# Altium PCB LARIX_V5.PcbDoc (part 1 of 2) (continued)
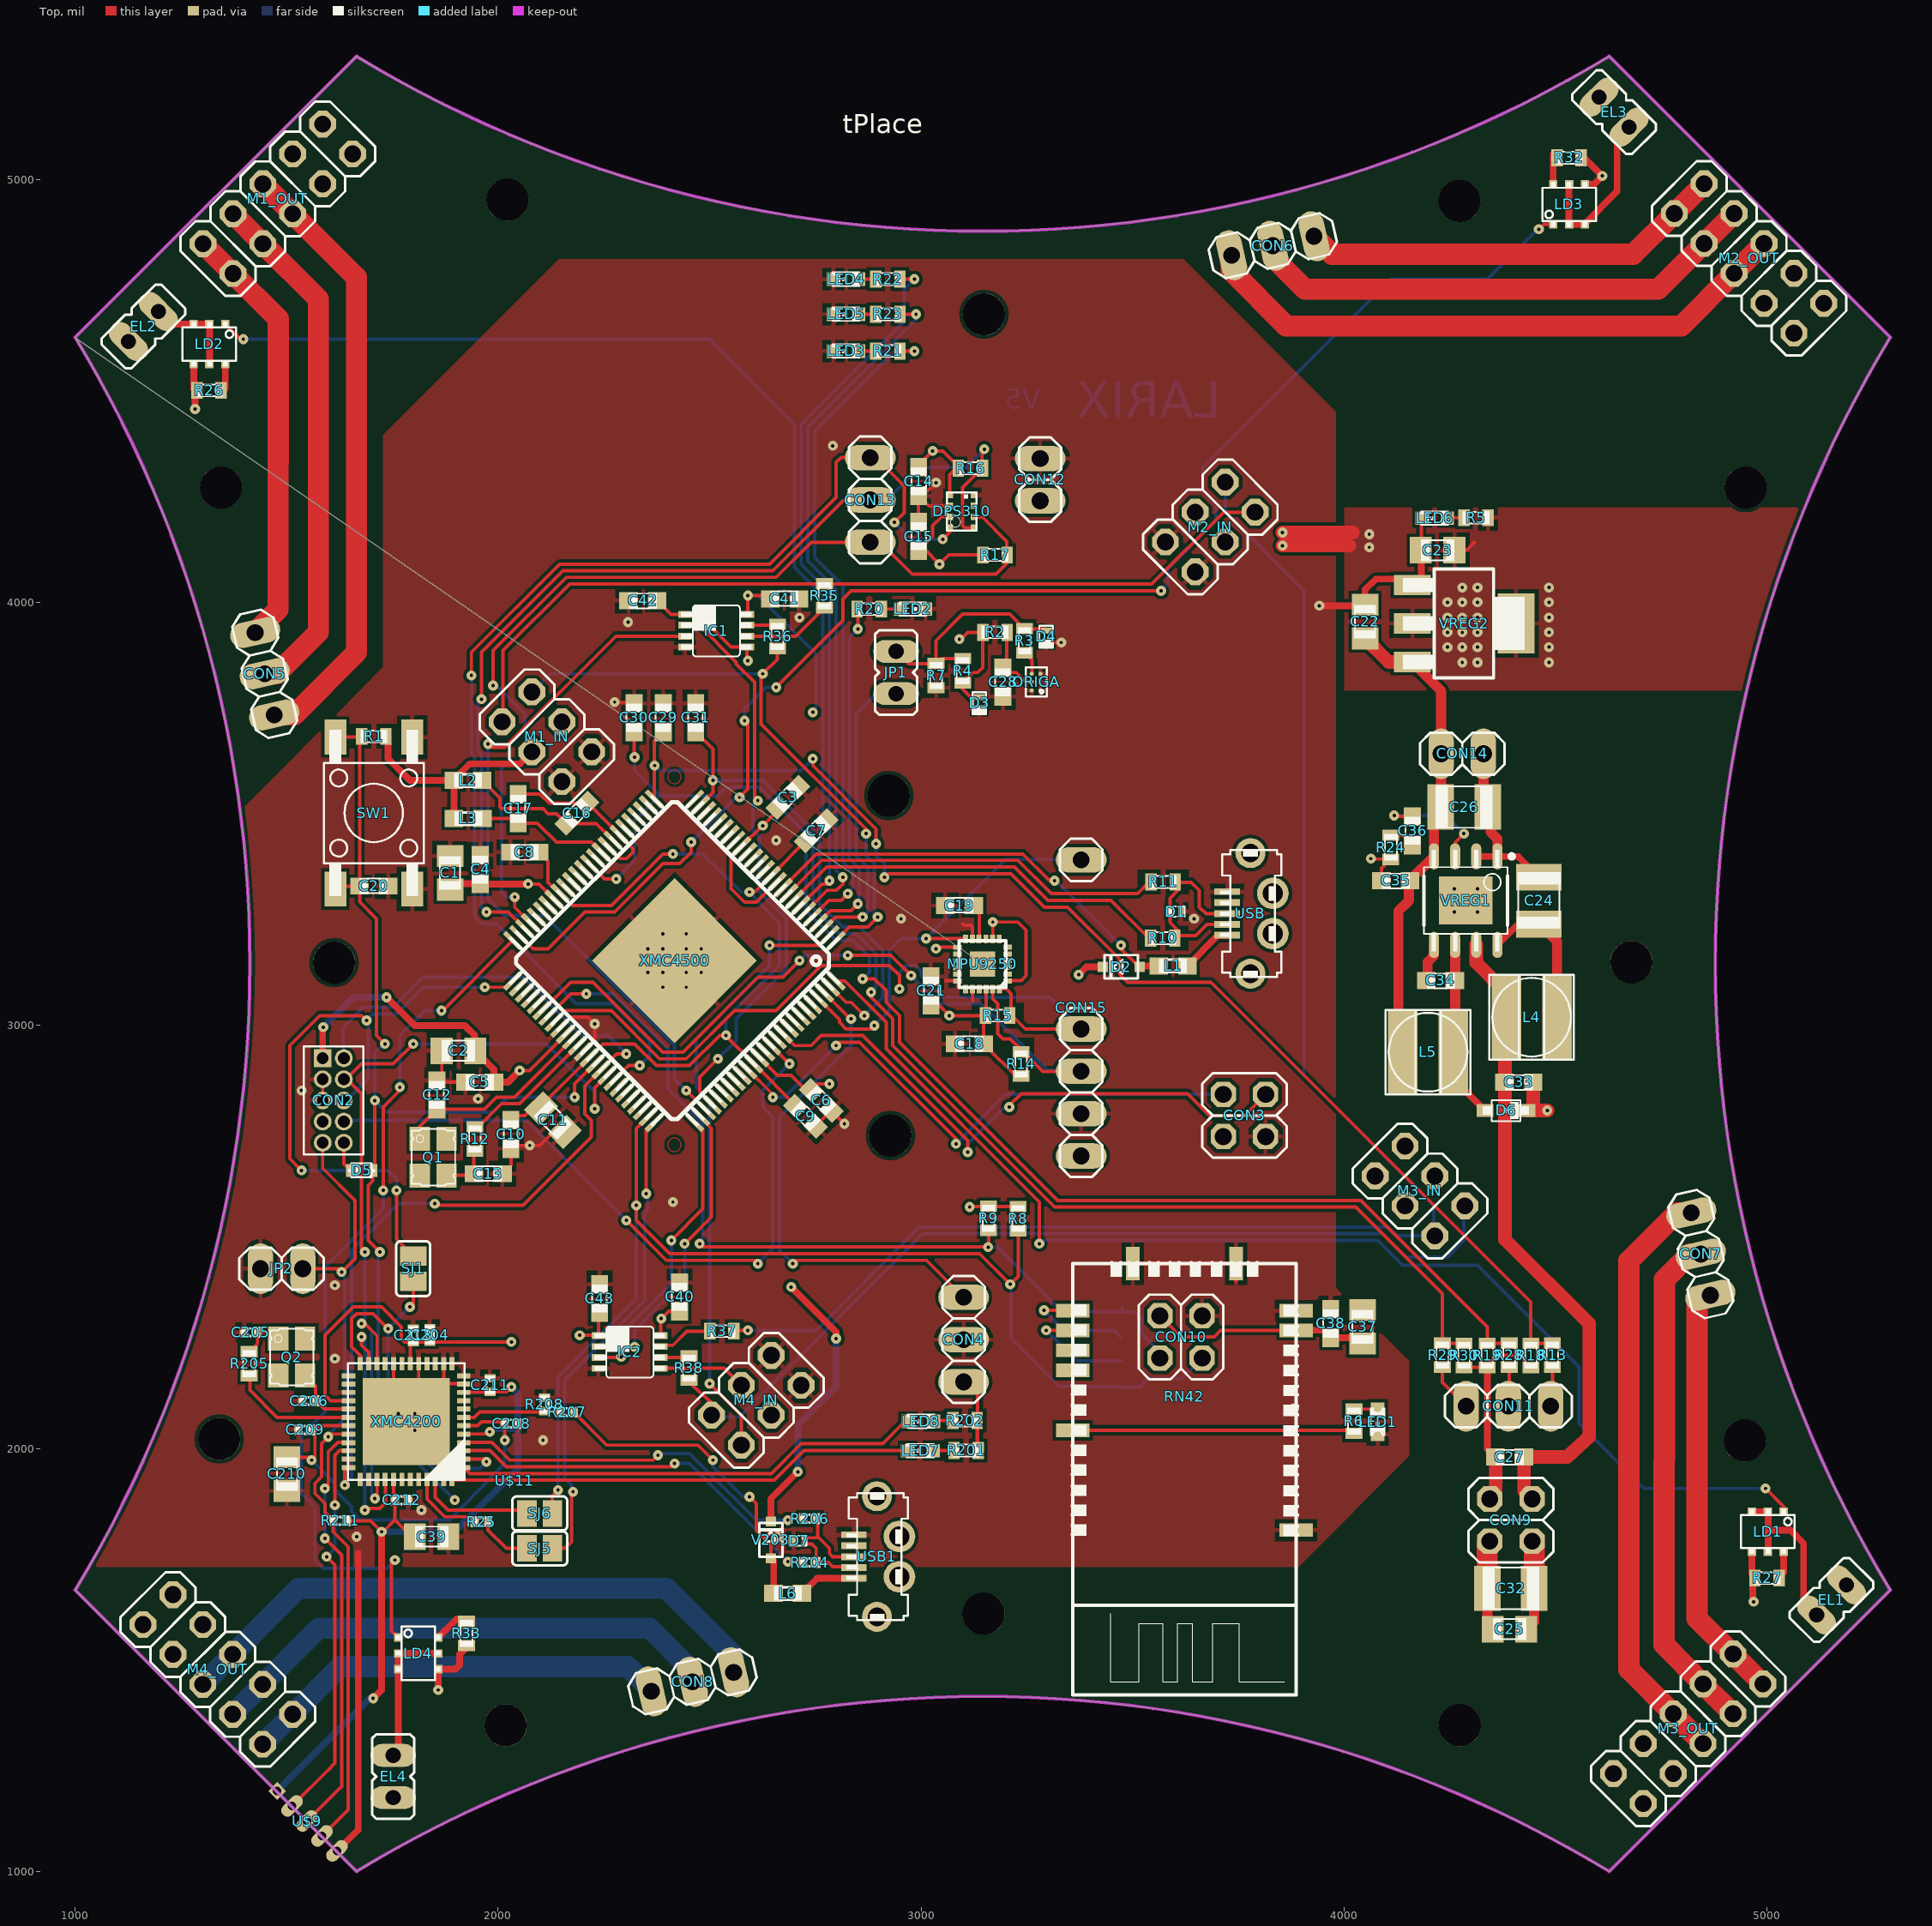
[diagram p0: Top view]
## Footprints (in the part's own frame and the unit in brackets; to place one, negate y for a bottom-side part, rotate by r counter-clockwise, add the part's x,y. Pads: shape width x height; smd on the part's side, far side on the other; paste and mask are expansions set on the pad) (continued)
  rect 12x32 smd: 13(-108.27,-136.81) 14(-88.58,-136.81) 15(-68.9,-136.81) 16(-49.21,-136.81) 17(-29.53,-136.81) 18(-9.84,-136.81) 19(10,-136.81) 20(30,-136.81) 21(50,-136.81) 22(69,-136.81) 23(89,-136.81) 24(109,-136.81) 37(109,137) 38(89,137) 39(69,137) 40(50,137) 41(30,137) 42(10,137) 43(-9.84,137) 44(-29.53,137) 45(-49.21,137) 46(-68.9,137) 47(-88.58,137) 48(-108.27,137)
  rect 205x205 smd: EPAD(0,0)
  silkscreen extent -138,-138 138,138, body extent -138,-138 138,138, height 35
R0402 [mil] "R0402"
  rect 20x26 smd: 1(-15.75,0) 2(16,0)
  silkscreen extent -22,-12 22,12, body extent -20,-10 20,10, height 11
R0603 [mil] "R0603"
  rect 27x40 smd: 1(-28.15,0) 2(29,0)
  silkscreen extent -31,-16 32,16, body extent -31,-16 32,16, height 15
RN42+SHIELD [mil] "RN42+SHIELD"
  rect 79x32 smd: GND1(0,630) GND2(0,111) GPIO_2(528,394) UART_CTX(528,252) UART_RTX(528,205) UART_RX(528,111) UART_TX(528,158) VDD(0,158)
  rect 32x79 smd: GND3(142,0) GND4(386,0)
  silkscreen extent -7,-6 533,1020, body extent 18,17 515,995, height 79
SC74 [mil] "SC74"
  rect 20x20 smd: P_1(-1.97,-86.61) P_2(36,-86.61) P_3(73,-86.61) P_4(73,8) P_5(36,8) P_6(-1.97,8)
  silkscreen extent -28,-93 99,14, body extent -24,-95 94,15, height 37
SC79 [mil] "SC79"
  rect 20x30 smd: 1(-26.57,0) 2(27,0)
  silkscreen extent -31,-16 32,16, body extent -33,-18 33,18, height 24
SJ [mil] "SJ"
  rect 46x63 smd: 1(-30,0) 2(30,0)
  silkscreen extent -65,-40 65,40
SOD323-R [mil] "SOD323-R"
  rect 24x24 smd: A(44,0) C(-43.31,0)
  silkscreen extent -39,-28 40,28, body extent -53,-25 53,25, height 43
SOT223 [mil] "SOT223"
  rect 48x88 smd: 1(-91,-122) 2(0,-122) 3(91,-122)
  rect 142x87 smd: 4(0,123)
  silkscreen extent -129,-144 129,144, body extent -125,-136 131,136, height 66
TSLP-2-20 [mil] "TSLP-2-20"
  rect 24x14 smd: P$1(4,16) P$2(4,-11.81)
  silkscreen extent -12,-24 20,28, body extent -9,-20 15,20, height 18
TSLP-3-1 [mil] "TSLP-3-1"
  rect 9x14 smd: 1(5,-18.7) 2(20,-18.7)
  rect 24x14 smd: 3(12,7)
  silkscreen extent 0,-24 24,16, body extent -2,-25 22,15, height 26
USBVERTICAL [mil] "USBVERTICAL"
  rect 16x60 smd: 1(52,108) 2(26,108) 3+(0,108) 4(-25.59,108) 5(-51.18,108)
  round 75 hole 48: P$1(48,0) P$2(-47.24,0)
  round 71 hole 44: P$3(-142.13,53) P$4(143,53)
  silkscreen extent -150,-20 150,125, body extent -155,-9 160,109, height 265
WE-TPC [mil] "WE-TPC"
  rect 200x70 smd: P$1(0,50) P$2(0,-70)
  silkscreen extent -100,-110 100,90, body extent -94,-99 94,89, height 110
WLB-5 [mil] "WLB-5"
  rrect100% 10x10 smd: A1(-7.48,-10.63) A2(-7.48,10) B2(13,10) C1(32,-10.63) C2(32,10)
  silkscreen extent -22,-25 47,24, body extent -27,-30 51,30, height 25

## Part data
C1 C2 C11 C22 C23 C25 C37 C39 C210: library part C0805K
C3 C4 C5 C6 C7 C8 C9 C10 C12 C13 C14 C15 C16 C17 C18 C19 C20 C21 C27 C28 C29 C30 C31 C33 C34 C35 C36 C38 C40 C41 C42 C43: library part C0603
C24 C26 C32: library part C1210
C204 C205 C206 C208 C209 C211 C212 C213: library part C0402
CON3 CON9 CON10: library part 2X02
CON4 CON5 CON6 CON7 CON8 CON11 CON13: library part 1X03
CON12 CON14 JP2: library part 1X02
CON15: library part 1X10
D1 D7: library part TSLP-3-1
D2 V203: library part SOD323-R
D3 D4: library part TSLP-2-20
D5: library part SC79
D6: library part INF-SOD323_V_1PRIMARY
DPS310: library part LGA8R125P0X4_500X300X120
EL1 EL2 EL3 EL4 JP1: library part JP1
IC1 IC2: library part DCT_R-PDSO-G8
L1 L2 L3 L6: library part L1608
L4 L5: library part WE-TPC
LD1 LD2 LD3 LD4: library part SC74
LED1 LED2 LED3 LED4 LED5 LED6 LED7 LED8: library part CHIPLED_0603
M1_IN M2_IN M3_IN M4_IN: library part 2X03
M1_OUT M2_OUT M3_OUT M4_OUT: library part 2X05
MPU9250: library part QFN3X3-24+
ORIGA: library part WLB-5
PAD1 PAD2: library part BATT-SOLDER
Q1 Q2: library part 32X25_4PAD
R1 R2 R3 R4 R5 R6 R7 R8 R9 R10 R11 R12 R13 R14 R15 R16 R17 R18 R19 R20 R21 R22 R23 R24 R26 R27 R28 R29 R30 R32 R33 R35 R36 R37 R38 R201 R202 R205: library part R0603
R25 R204 R206 R207 R208 R211: library part R0402
RN42: library part RN42+SHIELD
SJ1 SJ2 SJ3 SJ5 SJ6: library part SJ
SW1: library part FSM2JSMA
U$9: library part PINHEAD_127
U$11: library part LOGO_100
USB USB1: library part USBVERTICAL
VREG1: library part INF-PG-DSO-8-27_N_1PRIMARY
VREG2: library part SOT223
XMC4200: library part QFN-48-7X7
XMC4500: library part P/PG-LQFP-100-11

## Free pads (board coordinates)
  round 100 hole 100: 1(1340.55,2022.44) 1(1344.88,4271.67) 1(1612.2,3148.67) 1(2017.72,1345.28) 1(2022.05,4952.67) 1(2923.62,3543.67) 1(2927.56,2739.76) 1(3147.67,1609.45) 1(3148.67,4681.67) 1(4272.67,4949.67) 1(4273.67,1345.67) 1(4679.67,3149.67) 1(4947.67,2018.9) 1(4949.67,4271.67)

## Via types
v1: diameter 23.75/23.75/23.75/23.75 (per signal layer), hole 8, Top to Bottom, 226 vias

## Nets (pads, with @x,y where several pads share a name; then routed paths per layer and width w, separated by ;. In a path a pad name is that pad's centre, name@x,y a point inside that pad or via, vN(x,y) a via of type N, cw(c..) or ccw(c..) an arc to the next point about the centre after c; other vN are vias at no path point)
AGND: C16.2 C17.2 XMC4500.32 XMC4500.34 | length 414.6
  Top w8: C17.2@2047.24,3545.67 2049.21,3547.67 2098.43,3547.67 2120.85,3525.67 2209.86,3525.67 2212.52,3525.67 2285.5,3452.67 2318.9,3418.67 2318.9,3409.67 2303.15,3394.67 2287.96,3394.67 XMC4500.34@2257.67,3424.67
AUX_LED#: LED8.C XMC4200.1 | length 1108.8
  Top w8: XMC4200.1@1918.62,1955.51 1933.19,1940.94 2645.67,1940.94 2716.54,2011.81 2909.45,2011.81 2961.81,2064.17 LED8.C@2970.37,2064.17
COOLING: VREG1.9 | length 38.9
  Top w8: VREG1.9@4287.67,3295.67 v1(4315.67,3268.67)
  other v1: 4260.67,3268.67 4260.67,3323.67 4315.67,3323.67
CS: XMC4200.23 XMC4200.40 | length 594.2
  Top w8: v1(1677.17,2263.78) 1677.17,2244.09 1694.21,2227.05 XMC4200.23@1694.21,2200.59 ; v1(1685.04,1854.33) 1688.98,1858.27 1720.47,1858.27 1733.58,1871.38 XMC4200.40@1733.58,1926.97
  Bottom w8: v1(1677.17,2263.78) 1685.04,2255.91 v1(1685.04,1854.33)
DBGPRES#: CON2.9 JP2.1 R211.1 U$9.P$4 XMC4200.32 | length 1921.9
  Top w8: JP2.1@1538.19,2425.2 1622.05,2425.2 v1(1629.92,2417.32) 1661.42,2448.82 1661.42,2586.61 1585.24,2662.8 CON2.9@1585.24,2722.83 ; U$9.P$4@1583.6,1084.06 1584.06,1084.06 1645.67,1145.67 1645.67,1767.72 1610.24,1803.15 1610.24,1828.93 R211.1@1610.43,1829.13 ; R211.1@1609.21,1827.91 R211.1@1610.43,1829.13 ; XMC4200.32@1646.97,2034.25 1605.12,2034.25 v1(1598.43,2027.56) 1582.68,2011.81 1582.68,1933.07 1566.93,1917.32 1566.93,1893.7 1590.55,1870.08 1590.55,1849.01 R211.1@1610.43,1829.13
  Bottom w8: v1(1598.43,2027.56) 1598.43,2031.5 1637.8,2070.87 1637.8,2405.51 v1(1629.92,2417.32)
DEBUG_LED#: LED7.C XMC4200.48 | length 1107.5
  Top w8: XMC4200.48@1891.06,1926.97 1892.83,1925.2 2653.54,1925.2 2723.3,1994.95 LED7.C@2968.94,1994.95
DEBUG_RX_XMC42/TX_XMC45: SJ6.2 XMC4200.46 | length 274.9
  Top w8: XMC4200.46@1851.69,1926.97 1851.69,1884.53 1881.89,1854.33 2060.55,1854.33 SJ6.2@2068.43,1846.46
DEBUG_TX_XMC42/RX_XMC45: R25.2 SJ5.2 | length 129.7
  Top w8: R25.2@1976.38,1826.77 1976.38,1807.09 2019.68,1763.78 SJ5.2@2068.43,1763.78
GND: C1.2 C2.2 C3.2 C4.2 C5.2 C6.2 C7.2 C8.2 C9.2 C10.2 C11.2 C12.2 C13.2 C14.2 C15.1 C18.1 C19.1 C20.2 C21.1 C22.2 C23.2 C24.1 C25.2 C26.2 C27.2 C28.1 C29.2 C30.2 C31.2 C32.2 C33.1 C35.2 C37.2 C38.2 C39.2 C40.2 C41.2 C42.2 C43.2 C204.2 C205.2 C206.2 C208.2 C209.2 C210.2 C211.2 C212.2 C213.2 CON2.3 CON2.5 CON3.1 CON4.2 CON9.1 CON9.3 CON10.1 CON12.2 CON14.2 CON15.2 D1.3 D3.P$1 D4.P$1 D6.1 D7.3 DPS310.P1 DPS310.P7 IC1.4 IC2.4 JP2.2 LD1.P_4 LD2.P_4 LD3.P_4 LD4.P_4 LED1.C LED2.C LED3.C LED4.C LED5.C LED6.C M1_IN.1 M1_IN.2 M1_OUT.7 M1_OUT.8 M2_IN.1 M2_IN.2 M2_OUT.7 M2_OUT.8 M3_IN.1 M3_IN.2 M3_OUT.7 M3_OUT.8 M4_IN.1 M4_IN.2 M4_OUT.7 M4_OUT.8 MPU9250.11 MPU9250.18 MPU9250.20 ORIGA.A1 ORIGA.A2 ORIGA.C1 PAD2.P$1 R7.2 R18.2 R19.2 R24.2 R26.2 R27.2 R30.2 R32.2 R33.2 R208.1 RN42.GND1 RN42.GND2 RN42.GND3 RN42.GND4 SW1.S SW1.S1 U$9.P$5 USB1.1 USB.1 VREG1.1 VREG1.2 VREG2.1 XMC4200.11 XMC4200.12 XMC4200.13 XMC4200.14 XMC4200.17 XMC4200.20 XMC4200.27 XMC4200.EPAD XMC4500.59 XMC4500.63 XMC4500.EXP | length 5131.5
  Top w8: CON2.5@1585.24,2822.83 CON2.3@1585.24,2872.83 ; U$9.P$5@1618.95,1048.71 U$9.P$5@1619.57,1048.71 ; XMC4200.20@1753.27,2200.59 1753.27,2093.31 XMC4200.EPAD@1782.8,2063.78 ; XMC4200.17@1812.32,2200.59 1812.32,2093.31 XMC4200.EPAD@1782.8,2063.78 ; C2.2@1867.01,2940.47 1867.01,2880.79 1855.48,2869.26 1858.61,2866.14 1923.23,2866.14 C5.2@1923.23,2856.3 ; XMC4200.14@1871.38,2200.59 1871.38,2156.18 XMC4200.EPAD@1875.2,2152.36 ; XMC4200.11@1921.26,2153.54 1876.38,2153.54 XMC4200.EPAD@1875.2,2152.36 ; C13.2@2009.84,2649.61 2030.34,2670.11 C10.2@2030.34,2709.48 ; C10.2@2036.25,2701.6 C10.2@2030.34,2709.48 ; XMC4500.59@2146.31,2993.89 2172.11,3019.68 2212.6,3019.68 v1(2228.35,3003.94) 2228.35,2964.57 XMC4500.63@2201.99,2938.21 ; C11.2@2157.56,2748.9 2130.79,2748.9 2098.43,2716.54 v1(2074.8,2716.54) 2037.4,2716.54 C10.2@2030.34,2709.48 ; v1(2275.59,3764.67) 2318.9,3763.67 C30.2@2321.65,3760.67 ; v1(2389.76,3125.98) XMC4500.EXP@2417.04,3153.67 ; C9.2@2750.38,2762.11 2787.44,2799.17 2791.3,2795.23 v1(2818.9,2767.72) ; C15.1@2994.09,4189.67 C14.2@2994.09,4252.67 ; v1(3035.43,4283.67) 3004.33,4252.67 C14.2@2994.09,4252.67 ; 3059.06,3106.3 3086.46,3106.3 MPU9250.18@3086.61,3106.14 ; DPS310.P7@3067.91,4228.67 3018.7,4228.67 C14.2@2994.09,4252.67 ; 3098.43,3240.67 3102.36,3236.67 3118.11,3236.67 3121.89,3232.67 MPU9250.11@3121.89,3205.67 ; 3122.05,3059.06 3122.05,3086.46 MPU9250.20@3122.2,3086.61 ; D4.P$1@3295.67,3905.67 v1(3331.67,3905.67) ; RN42.GND4@3500.67,2437.01 RN42.GND3@3744.67,2437.01 3744.67,2395.28 ; v1(4063.67,3394.67) 4063.67,3393.67 4110.67,3393.67 4088.67,3371.67 C35.2@4088.67,3342.67 ; C23.2@4182.67,4123.67 4182.67,4197.67 LED6.C@4184.67,4199.67 ; R30.2@4283.67,2192.32 4338.67,2192.32 4338.67,2196.85 4362.67,2220.47 4413.67,2220.47 R18.2@4441.67,2192.32 ; R32.2@4565.67,5051.67 R32.2@4569.67,5059.67 ; R27.2@4964.67,1703.54 R27.2@4966.67,1693.7 ; XMC4200.EPAD@1782.8,2063.78 1871.38,2152.36 XMC4200.EPAD@1875.2,2152.36
  Top w16: LD2.P_4@1280.32,4564.67 1280.32,4504.67 1283.46,4501.67 v1(1283.46,4457.67) ; U$9.P$5@1619.57,1048.71 1669.29,1098.43 1669.29,1752.22 ; v1(1858.27,1429.13) 1858.27,1478.35 1899.61,1478.35 1909.45,1488.19 1909.45,1513.78 R33.2@1925.2,1529.53 ; v1(3941.67,3992.67) 4048.67,3992.67 C22.2@4049.67,3994.67 4049.67,4030.67 4075.67,4055.67 4146.67,4055.67 VREG2.1@4161.67,4041.67 4182.67,4062.67 C23.2@4182.67,4123.67 ; VREG1.2@4312.67,3399.67 4362.67,3399.67 4411.67,3399.67 C24.1@4460.67,3350.67 ; R19.2@4338.67,2192.32 4338.67,1999.21 4358.67,1979.92 4355.67,1950 ; D6.1@4431.67,2799.21 4447.67,2814.96 ; R32.2@4565.67,5051.67 4567.67,5051.67 v1(4610.67,5008.67) 4590.67,4988.67 LD3.P_4@4569.67,4988.67 ; R27.2@4964.67,1703.54 LD1.P_4@4964.67,1756.3 ; R27.2@4966.67,1693.7 4966.67,1643.7 v1(4968.67,1637.8)
  Top w24: CON14.2@4329.67,3642.67 4329.67,3509.67 4338.67,3516.67 4346.67,3492.67 4346.67,3457.67 4362.67,3441.67 VREG1.1@4362.67,3399.67 ; C32.2@4338.67,1669.29 4338.67,1586.22 C25.2@4352.67,1572.83
  Top w32: CON9.1@4344.67,1880.71 4358.67,1894.88 C27.2@4358.67,1979.92 ; D6.1@4431.67,2799.21 v1(4480.67,2799.21) ; 4447.67,2814.96 C33.1@4447.67,2866.14
  Top w50: C32.2@4338.67,1669.29 4338.67,1775.59 CON9.3@4344.67,1780.71
  PGND_DGND w86: CON9.3@4344.67,1780.71 CON9.1@4344.67,1880.71
  other v1: 1665.35,1791.34 2661.42,1791.34 1818.9,1854.33 2106.3,2019.68 1803.15,2043.31 1763.78,2082.68 1803.15,2082.68 3881.67,2094.49 1614.17,2212.6 1614.17,2385.83 2413.39,2582.68 1952.76,2826.77 1535.43,2846.46 2389.76,3090.55 2444.88,3090.55 2354.33,3125.98 2444.88,3125.98 2480.32,3125.98 2354.33,3181.67 2389.76,3181.67 2444.88,3181.67 2480.32,3181.67 2389.76,3216.67 2444.88,3216.67 2952.76,3252.67 3645.67,3252.67 2657.48,3437.67 2307.09,3953.67 2712.6,3964.67 2791.34,4370.67
HIB_IO_0: XMC4500.14
HIB_IO_1: XMC4500.13
LEDOUT1: EL1.2 LD1.P_2 LD1.P_3 LD1.P_5 | length 411.7
  Top w16: LD1.P_3@4964.67,1850.79 5002.67,1850.79 5002.67,1807.09 ; LD1.P_5@5002.67,1756.3 5002.67,1807.09 ; EL1.2@5117.67,1606.69 5117.67,1619.54 5086.67,1649.61 5086.67,1775.59 5055.67,1807.09 5002.67,1807.09
LEDOUT2: EL2.2 LD2.P_2 LD2.P_3 LD2.P_5 | length 226.9
  Top w16: EL2.2@1196.81,4687.67 1225.73,4658.67 1280.32,4658.67 1317.72,4658.67 LD2.P_5@1317.72,4564.67
LEDOUT3: EL4.2 LD4.P_2 LD4.P_3 LD4.P_5 | length 340.7
  Top w16: EL4.2@1751.97,1274.41 1763.78,1286.22 1763.78,1478.35 1763.78,1515.75 LD4.P_5@1858.27,1515.75
LEDOUT4: EL3.2 LD3.P_2 LD3.P_3 LD3.P_5 | length 405.2
  Top w16: LD3.P_5@4531.67,4988.67 4531.67,4894.67 4569.67,4894.67 4569.67,4895.67 4645.67,4972.67 4645.67,5095.67 EL3.2@4674.67,5124.67
N$1: LED2.A R20.1 | length 44.7
  Top w8: R20.1@2906.1,3984.67 LED2.A@2950.79,3984.67
N$2: C28.2 ORIGA.B2 R2.2 | length 178.3
  Top w8: R2.2@3202.67,3929.67 3202.67,3868.67 3185.67,3852.67 3193.67,3844.67 3203.67,3834.67 3224.67,3834.67 3247.67,3811.67 ORIGA.B2@3262.67,3811.67
N$3: LED3.A R21.1 | length 40.7
  Top w8: LED3.A@2852.36,4594.67 R21.1@2893.11,4594.67
N$4: C36.1 VREG1.3 | length 289.3
  Top w8: v1(4118.67,3496.67) 4120.67,3494.67 C36.1@4161.67,3494.67 ; VREG1.3@4262.67,3399.67 4262.67,3432.67 v1(4283.67,3453.67)
  Bottom w8: v1(4118.67,3496.67) 4240.67,3496.67 v1(4283.67,3453.67)
N$5: 
N$6: R12.1 XMC4500.62 | length 322.6
  Top w8: R12.1@1944.88,2760.43 1953.35,2760.43 2007.87,2814.96 2050.9,2814.96 XMC4500.62@2188.07,2952.13
N$7: C13.1 Q1.3 R12.2 | length 121.9
  Top w8: Q1.3@1877.95,2645.67 1938.98,2645.67 C13.1@1942.91,2649.61 1942.91,2702.17 R12.2@1944.88,2704.13
N$8: C12.1 Q1.1 XMC4500.61 | length 473.3
  Top w8: Q1.1@1814.96,2732.28 1814.96,2761.81 C12.1@1855.48,2802.33 1967.69,2802.33 1996.06,2830.71 2038.81,2830.71 XMC4500.61@2174.15,2966.05
N$9: D4.P$2 JP1.1 R3.2 R4.2 R7.1 | length 530.8
  Top w8: JP1.1@2940.94,3884.67 2970.67,3855.67 R7.1@3035.43,3855.67 ; R4.2@3098.43,3867.67 3047.24,3867.67 R7.1@3035.43,3855.67 ; D4.P$2@3295.67,3933.67 3291.67,3937.67 3244.67,3937.67 3209.67,3972.67 3098.43,3972.67 3035.43,3909.67 R7.1@3035.43,3855.67
N$10: D7.1 R204.2 USB1.4 | length 160.2
  Top w8: D7.1@2723.82,1774.21 2741.54,1774.21 2751.97,1763.78 2751.97,1731.06 2752.36,1730.66 2781.15,1730.66 2791.34,1720.47 2839.76,1720.47 USB1.4@2841.73,1718.5
N$11: L1.2 USB.5 | length 124
  Top w16: L1.2@3629.67,3140.8 3700.67,3212.67 USB.5@3723.67,3212.67
N$12: ORIGA.C2 R3.1 | length 57.5
  Top w8: R3.1@3244.67,3881.67 3262.67,3863.67 ORIGA.C2@3262.67,3831.67
N$13: D1.2 R10.1 USB.4 | length 212.3
  Top w8: D1.2@3588.67,3262.67 3588.67,3243.67 3606.67,3224.67 3606.67,3207.67 R10.1@3605.67,3206.67 ; R10.1@3600.67,3223.67 R10.1@3605.67,3206.67 ; USB.4@3723.67,3238.67 3675.67,3238.67 3649.67,3212.67 3612.67,3212.67 R10.1@3605.67,3206.67
N$14: CON5.1 M1_OUT.5 M1_OUT.6 | length 1455
  Top w50: M1_OUT.6@1443.79,4989.67 1514.5,4919.67 1665.35,4768.67 1665.35,3882.67 1517.69,3734.67 CON5.1@1470.66,3734.67
N$15: LED6.A R5.1 | length 40.2
  Top w8: LED6.A@4243.67,4199.67 4245.67,4200.67 R5.1@4283.67,4200.67
N$16: M2_IN.6 M3_IN.5 R37.1 | length 3754.3
  Top w8: R37.1@2557.65,2277.42 2559.76,2279.53 v1(2590.55,2279.53)
  Bottom w8: v1(2590.55,2279.53) 2751.97,2279.53 2996.06,2523.62 4102.67,2523.62 4123.67,2502.78 4214.67,2502.78 4212.67,2504.34 4212.67,2574.8 3905.67,2881.89 3905.67,4027.67 3719.67,4214.67 M2_IN.6@3719.67,4284.67
N$17: C36.2 R24.1 | length 60.1
  Top w8: R24.1@4110.67,3449.67 4139.67,3449.67 C36.2@4161.67,3427.67
N$18: LED1.A R6.1 | length 56.2
  Top w8: R6.1@4023.67,2093.11 4079.67,2093.11 LED1.A@4079.67,2092.91
N$19: CON2.10 D5.1 | length 72.4
  Top w8: CON2.10@1634.72,2722.32 CON2.10@1635.24,2722.83 1635.24,2672.83 D5.1@1650.59,2657.48
N$20: C19.2 MPU9250.10 | length 92.4
  Top w8: C19.2@3124.02,3283.67 3118.11,3283.67 3137.8,3264.67 3137.8,3205.67 MPU9250.10@3137.64,3205.67
N$21: CON5.2 M1_OUT.3 M1_OUT.4 | length 1240.8
  Top w50: M1_OUT.4@1373.08,4919.67 1443.79,4848.67 1574.8,4717.67 1574.8,3929.67 1476.94,3831.67 CON5.2@1448.16,3831.67
N$22: LED4.A R22.1 | length 40.7
  Top w8: LED4.A@2852.36,4764.67 R22.1@2893.11,4764.67
N$23: 
  other v1: 3145.67,3145.67
N$24: LED5.A R23.1 | length 40.7
  Top w8: LED5.A@2852.36,4681.67 R23.1@2893.11,4681.67
N$25: CON5.3 M1_OUT.1 M1_OUT.2 | length 1015.2
  Top w50: M1_OUT.2@1302.37,4848.67 1373.08,4777.67 1480.32,4670.67 1479.92,3983.67 CON5.3@1425.67,3929.67
N$26: R6.2 RN42.GPIO_2 | length 667.5
  Top w8: RN42.GPIO_2@3358.67,2043.31 4016.67,2043.31 R6.2@4023.67,2036.81
N$27: RN42.UART_CTX RN42.UART_RTX | length 47.2
  Top w8: RN42.UART_CTX@3358.67,2185.01 RN42.UART_RTX@3358.67,2232.28
N$28: C24.2 L4.P$1 VREG1.8 | length 355.6
  Top w16: VREG1.8@4362.67,3191.67 4408.67,3236.67 C24.2@4460.67,3240.67
  Top w24: C24.2@4460.67,3240.67 4503.67,3198.67 L4.P$1@4503.67,3019.68
N$29: D7.2 R206.2 USB1.3+ | length 220.5
  Top w8: R206.2@2752.36,1833.91 2755.91,1830.36 2755.91,1791.34 2753.54,1788.98 2723.82,1788.98 2758.27,1788.98 2783.46,1763.78 2783.46,1751.97 2791.34,1744.09 USB1.3+@2841.73,1744.09
N$30: C34.1 D6.2 L5.P$1 VREG1.6 | length 425.8
  Top w8: L5.P$1@4262.67,2949.21 4258.67,2946.06 L5.P$1@4258.67,2937.01 4258.67,2873.23 L5.P$1@4263.67,2868.9
  Top w16: C34.1@4262.67,3106.3 C34.1@4262.67,3106.89 ; L5.P$1@4263.67,2868.9 D6.2@4333.67,2799.21
  Top w24: L5.P$1@4262.67,2949.21 C34.1@4262.67,3106.3 ; C34.1@4262.67,3106.89 VREG1.6@4262.67,3191.67
N$31: LD2.P_6 R26.1 | length 65.2
  Top w16: R26.1@1350.39,4501.67 1355.12,4505.67 LD2.P_6@1355.12,4564.67
N$32: C205.1 Q2.1 R205.2 | length 110.2
  Top w8: R205.2@1411.34,2228.15 1431.1,2247.91 C205.1@1431.1,2274.8 1465.35,2274.8 Q2.1@1480.31,2259.84
N$33: LD1.P_6 R27.1 | length 63.8
  Top w8: R27.1@5033.67,1693.7 R27.1@5039.67,1707.48
  Top w16: R27.1@5039.67,1707.48 LD1.P_6@5039.67,1756.3
N$34: R205.1 XMC4200.30 | length 295.1
  Top w8: R205.1@1411.34,2171.85 1413.39,2169.81 1413.39,2137.8 1477.56,2073.62 XMC4200.30@1646.97,2073.62
N$35: CON6.1 M2_OUT.5 M2_OUT.6 | length 1432
  Top w50: CON6.1@3733.67,4821.67 3733.67,4784.67 3863.67,4653.67 4797.67,4653.67 4921.67,4778.67 M2_OUT.6@4992.67,4849.67
N$36: D1.1 R11.1 USB.3+ | length 242.4
  Top w8: D1.1@3588.67,3277.67 3588.67,3300.67 3606.67,3319.67 3606.67,3338.67 3605.67,3339.67 3605.67,3338.67 3638.67,3338.67 3657.67,3319.67 3657.67,3279.67 3673.67,3264.67 USB.3+@3723.67,3264.67
N$37: CON11.1 R13.1 | length 94
  Top w8: CON11.1@4488.67,2100.06 4492.67,2103.65 R13.1@4492.67,2192.32
N$38: CON6.3 M2_OUT.1 M2_OUT.2 | length 1009.7
  Top w50: CON6.3@3928.67,4866.67 3971.67,4823.67 4683.67,4823.67 4780.67,4919.67 M2_OUT.2@4851.67,4990.67
N$39: L6.2 R207.2 V203.A | length 760.1
  Top w8: R207.2@2178.54,2086.12 2256.79,2007.87 2472.44,2007.87 v1(2507.87,1972.44) ; v1(2594.49,1885.83) 2610.24,1870.08 2610.24,1807.09 2644.78,1772.54 V203.A@2644.78,1740.85
  Top w16: V203.A@2644.78,1740.85 2651.57,1734.06 L6.2@2651.57,1657.48
  Bottom w8: v1(2507.87,1972.44) 2507.87,1956.69 2578.74,1885.83 v1(2594.49,1885.83)
N$40: CON6.2 M2_OUT.3 M2_OUT.4 | length 1222.6
  Top w50: CON6.2@3831.67,4843.67 3831.67,4816.67 3907.67,4740.67 4742.67,4740.67 4851.67,4849.67 M2_OUT.4@4921.67,4919.67
N$41: CON11.2 R28.1 | length 93.4
  Top w8: CON11.2@4388.67,2100.06 4390.67,2101.29 R28.1@4390.67,2192.32
N$42: CON8.1 M4_OUT.5 M4_OUT.6 | length 1454.3
  Bottom w50: M4_OUT.6@1301.85,1442.3 M4_OUT.5@1372.56,1513.01 1528.84,1669.29 2397.64,1669.29 2557,1509.93 CON8.1@2557,1470.86
N$43: CON11.3 R29.1 | length 115.4
  Top w8: R29.1@4232.67,2192.32 4232.67,2156.3 CON11.3@4288.67,2100.06
N$44: C206.1 Q2.3 XMC4200.29 | length 157.3
  Top w8: Q2.3@1543.31,2173.23 1568.9,2147.64 C206.1@1568.9,2112.6 1588.19,2093.31 XMC4200.29@1646.97,2093.31
N$45: CON8.3 M4_OUT.1 M4_OUT.2 | length 1021
  Bottom w50: M4_OUT.2@1443.27,1300.88 M4_OUT.1@1513.98,1371.59 1626.64,1484.25 2307.09,1484.25 2362.13,1429.21 CON8.3@2362.13,1425.87
N$46: CON8.2 M4_OUT.3 M4_OUT.4 | length 1238.3
  Bottom w50: M4_OUT.4@1372.56,1371.59 M4_OUT.3@1443.27,1442.3 1575.77,1574.8 2358.27,1574.8 2452.76,1480.32 2452.76,1455.18 CON8.2@2459.57,1448.37
N$47: C34.2 VREG1.5 | length 92.1
  Top w24: C34.2@4195.67,3106.3 4197.67,3108.27 4197.67,3149.67 4212.67,3165.67 VREG1.5@4212.67,3191.67
N$48: LED7.A R201.2 | length 50.9
  Top w8: LED7.A@3027.99,1994.95 3028.32,1995.28 R201.2@3078.79,1995.28
N$49: CON7.1 M3_OUT.5 M3_OUT.6 | length 1407.8
  Top w50: CON7.1@4820.67,2557.16 4787.67,2557.16 4673.67,2443.7 4673.67,1477.47 4778.67,1372.82 M3_OUT.6@4848.67,1302.11
N$50: CON7.2 M3_OUT.3 M3_OUT.4 | length 1205
  Top w50: CON7.2@4843.67,2459.73 4817.67,2459.73 4757.67,2399.21 4756.67,1536.21 4848.67,1443.53 M3_OUT.4@4919.74,1372.82
N$51: R25.1 XMC4200.45 | length 181.5
  Top w8: XMC4200.45@1832.01,1926.97 1832.01,1880.59 1874.02,1838.58 1933.07,1838.58 R25.1@1944.88,1826.77
N$52: R207.1 R208.2 XMC4200.7 | length 235.8
  Top w8: XMC4200.7@1918.62,2073.62 1943.7,2073.62 1956.69,2086.61 2107.68,2086.61 2109.74,2088.68 2144.68,2088.68 R207.1@2147.05,2086.12
N$53: CON7.3 M3_OUT.1 M3_OUT.2 | length 1015.6
  Top w50: CON7.3@4865.67,2362.29 4842.67,2362.29 4834.67,2354.33 4834.67,1598.43 4921.67,1512.27 M3_OUT.1@4919.74,1514.24 M3_OUT.2@4990.67,1443.53
N$54: M3_IN.6 M4_IN.5 R38.1 | length 2182.9
  Top w8: R38.1@2451.41,2156.07 2504.48,2108.31 M4_IN.5@2504.48,2078.69
  Bottom w8: M4_IN.5@2504.48,2078.69 2508.37,2074.8 2570.87,2074.8 3003.94,2507.87 4090.67,2507.87 4145.67,2452.76 4244.67,2452.76 4283.67,2492.13 4283.67,2572.08 M3_IN.6@4285.74,2573.49
N$55: M1_IN.6 M2_IN.5 R35.1 | length 2094.5
  Top w8: M1_IN.6@2006.04,3720.67 2009.3,3717.67 2011.81,3720.67 2011.81,3886.67 2169.29,4043.67 R35.1@2771.65,4043.67 ; R35.1@2771.65,4049.67 R35.1@2771.65,4043.67 ; M2_IN.5@3790.67,4213.67 3715.67,4213.67 3545.67,4043.67 R35.1@2771.65,4043.67
N$56: LED8.A R202.2 | length 47.9
  Top w8: LED8.A@3029.43,2064.17 3031.39,2066.14 R202.2@3076.52,2066.14
N$57: XMC4200.16
N$58: XMC4200.15
N$59: LD3.P_6 R32.1 | length 79.9
  Top w8: R32.1@4494.67,5059.67 R32.1@4498.67,5051.67
  Top w16: LD3.P_6@4494.7,4988.67 R32.1@4494.67,5059.67
N$60: LD4.P_6 R33.1 | length 84.9
  Top w16: LD4.P_6@1858.27,1553.15 1901.57,1596.46 R33.1@1925.2,1596.46
N$61: RN42.UART_TX SJ2.2 | length 272.1
  Top w8: v1(3295.67,2279.53) RN42.UART_TX@3358.67,2279.53
  Bottom w8: v1(3295.67,2279.53) 3368.67,2206.77 SJ2.2@3474.67,2206.77
N$62: RN42.UART_RX SJ3.2 | length 276.1
  Top w8: v1(3290.67,2326.77) RN42.UART_RX@3358.67,2326.77
  Bottom w8: v1(3290.67,2326.77) 3337.67,2279.53 3456.67,2279.53 SJ3.2@3472.67,2263.7
P0.0: M4_IN.6 XMC4500.2 | length 1451.8
  Top w8: v1(2500,2153.54) 2575.19,2078.35 M4_IN.6@2575.19,2007.98 ; v1(2641.73,3189.67) 2758.98,3189.67 XMC4500.2@2785.21,3215.67
  Bottom w8: v1(2500,2153.54) 2500,2822.83 2468.5,2854.33 2468.5,2968.5 2641.73,3141.73 v1(2641.73,3189.67)
P0.1: M1_IN.5 R36.1 XMC4500.1 | length 1445.7
  Top w8: R36.1@2660.54,3886.67 2660.54,3865.67 v1(2625.98,3831.67) 2622.05,3827.67 2622.05,3712.67 2870.08,3464.67 v1(2870.08,3453.67) ; XMC4500.1@2799.13,3201.67 2830.13,3232.67 2874.02,3232.67 v1(2897.64,3256.67)
  Bottom w8: M1_IN.5@2080.01,3788.74 2122.8,3831.67 v1(2625.98,3831.67) ; v1(2870.08,3453.67) 2870.08,3401.67 2889.76,3382.67 2889.76,3264.67 v1(2897.64,3256.67)
P0.2: LD1.P_1 XMC4500.100 | length 2945.7
  Top w8: XMC4500.100@2799.13,3105.24 2819.95,3105.24 2917.32,3007.87 2917.32,2944.88 3279.67,2582.68 v1(3279.67,2484.25) ; v1(4996.67,1905.51) 5039.67,1862.2 LD1.P_1@5039.67,1850.79
  Bottom w8: v1(3279.67,2484.25) 3291.67,2492.13 4079.67,2492.13 4138.67,2433.07 4315.67,2433.07 4555.67,2192.91 4555.67,2059.06 4708.67,1905.51 v1(4996.67,1905.51)
P0.3: LD2.P_1 XMC4500.99 | length 3084.8
  Top w8: LD2.P_1@1355.12,4658.67 1391.34,4622.67 v1(1397.64,4622.67) ; XMC4500.99@2785.21,3091.32 2786.63,3091.32 2822.83,3055.12 2834.65,3055.12 v1(2866.14,3023.62)
  Bottom w8: v1(1397.64,4622.67) 2500,4622.67 2700.79,4421.67 2700.79,4083.67 2767.72,4016.67 2767.72,3468.67 2759.84,3460.67 2759.84,3287.67 2814.96,3232.67 2854.33,3232.67 2909.45,3177.67 2909.45,3066.93 v1(2866.14,3023.62)
P0.4: CON4.3 XMC4500.98 | length 1194.1
  Top w8: v1(2696.85,2437.01) 2704.72,2444.88 3013.22,2444.88 CON4.3@3100.67,2357.42 ; XMC4500.98@2771.29,3077.4 2832.95,3015.75 v1(2834.65,3015.75)
  Bottom w8: v1(2696.85,2437.01) 2665.35,2468.5 2665.35,2783.46 2834.65,2952.76 v1(2834.65,3015.75)
P0.5: CON15.8 MPU9250.12 XMC4500.97 | length 997.7
  Top w8: XMC4500.97@2757.37,3063.48 2807.09,3013.77 2807.09,3007.87 2822.83,2992.13 2881.89,2992.13 v1(2889.76,3000) ; v1(3011.81,3205.67) MPU9250.12@3106.14,3205.67
  Bottom w8: v1(2889.76,3000) 2925.2,3035.43 2925.2,3177.67 2952.76,3205.67 v1(3011.81,3205.67) 3199.67,3392.67 CON15.8@3378.67,3392.67
P0.6: XMC4500.96
P0.7: CON2.8 XMC4500.89 | length 1704
  Top w8: v1(2303.15,2539.37) 2397.64,2444.88 2606.3,2444.88 v1(2614.17,2437.01) ; XMC4500.89@2646.02,2952.13 2646.3,2952.13 v1(2688.98,2909.45)
  Bottom w8: CON2.8@1635.24,2772.83 1637.99,2775.59 2066.93,2775.59 v1(2303.15,2539.37) ; v1(2614.17,2437.01) 2649.61,2472.44 2649.61,2783.46 2625.98,2807.09 2625.98,2846.46 v1(2688.98,2909.45)
P0.8: XMC4500.88
P0.9: R20.2 XMC4500.4 | length 827.7
  Top w8: XMC4500.4@2757.37,3243.67 2785.98,3271.67 2834.65,3271.67 v1(2850.39,3287.67) ; R20.2@2849.8,3984.67 2850.39,3983.67 v1(2850.39,3937.67)
  Bottom w8: v1(2850.39,3287.67) 2854.33,3291.67 2854.33,3370.67 2830.71,3394.67 2830.71,3917.67 v1(2850.39,3937.67)
P0.10: JP1.2 XMC4500.3 | length 715.5
  Top w8: XMC4500.3@2771.29,3229.67 2798.07,3256.67 v1(2862.2,3256.67)
  Bottom w8: v1(2862.2,3256.67) 2874.02,3268.67 2874.02,3374.67 2846.46,3401.67 2846.46,3736.67 2897.64,3787.67 2938.19,3787.67 JP1.2@2940.94,3784.67
P0.11: XMC4500.95
P0.12: XMC4500.94
P1.0: IC1.2 XMC4500.79 | length 1360
  Top w8: IC1.2@2441.93,3946.67 2475.39,3946.67 2562.99,3858.67 2562.99,3854.67 2606.3,3811.67 2606.3,3539.67 v1(2614.17,3531.67) ; XMC4500.79@2506.82,2812.93 2476.38,2843.38 2476.38,2877.95 v1(2519.68,2921.26)
  Bottom w8: v1(2519.68,2921.26) 2562.99,2964.57 2562.99,3015.75 2681.1,3133.86 2681.1,3252.67 2618.11,3315.67 2618.11,3445.67 2602.36,3460.67 2602.36,3520.67 v1(2614.17,3531.67)
P1.1: IC1.3 XMC4500.78 | length 1714.1
  Top w8: v1(1976.38,3665.67) 1984.25,3657.67 2015.75,3657.67 2278.54,3920.67 IC1.3@2441.93,3920.67 ; v1(2444.88,2846.46) 2492.32,2799.01 XMC4500.78@2492.9,2799.01
  Bottom w8: v1(1976.38,3665.67) 1976.38,3299.67 2015.75,3260.67 2110.24,3260.67 2417.32,2952.76 2417.32,2874.02 v1(2444.88,2846.46)
P1.2: IC2.2 XMC4500.77 | length 715.3
  Top w8: IC2.2@2237.2,2241.14 2238.19,2240.16 v1(2322.83,2240.16) ; v1(2440.94,2484.25) 2503.94,2547.24 2503.94,2756.21 XMC4500.77@2478.98,2785.1
  Bottom w8: v1(2322.83,2240.16) 2322.83,2279.53 2440.94,2397.64 v1(2440.94,2484.25)
P1.3: IC2.3 XMC4500.76 | length 697
  Top w8: IC2.3@2237.2,2215.55 2290.35,2215.55 v1(2291.34,2216.54) ; v1(2409.45,2492.13) 2484.25,2566.93 2484.25,2751.99 XMC4500.76@2465.07,2771.18
  Bottom w8: v1(2291.34,2216.54) 2291.34,2271.65 2409.45,2389.76 v1(2409.45,2492.13)